# Altium PCB ANALOG_MezzanineV1_01.PcbDoc (part 1 of 3) (continued)
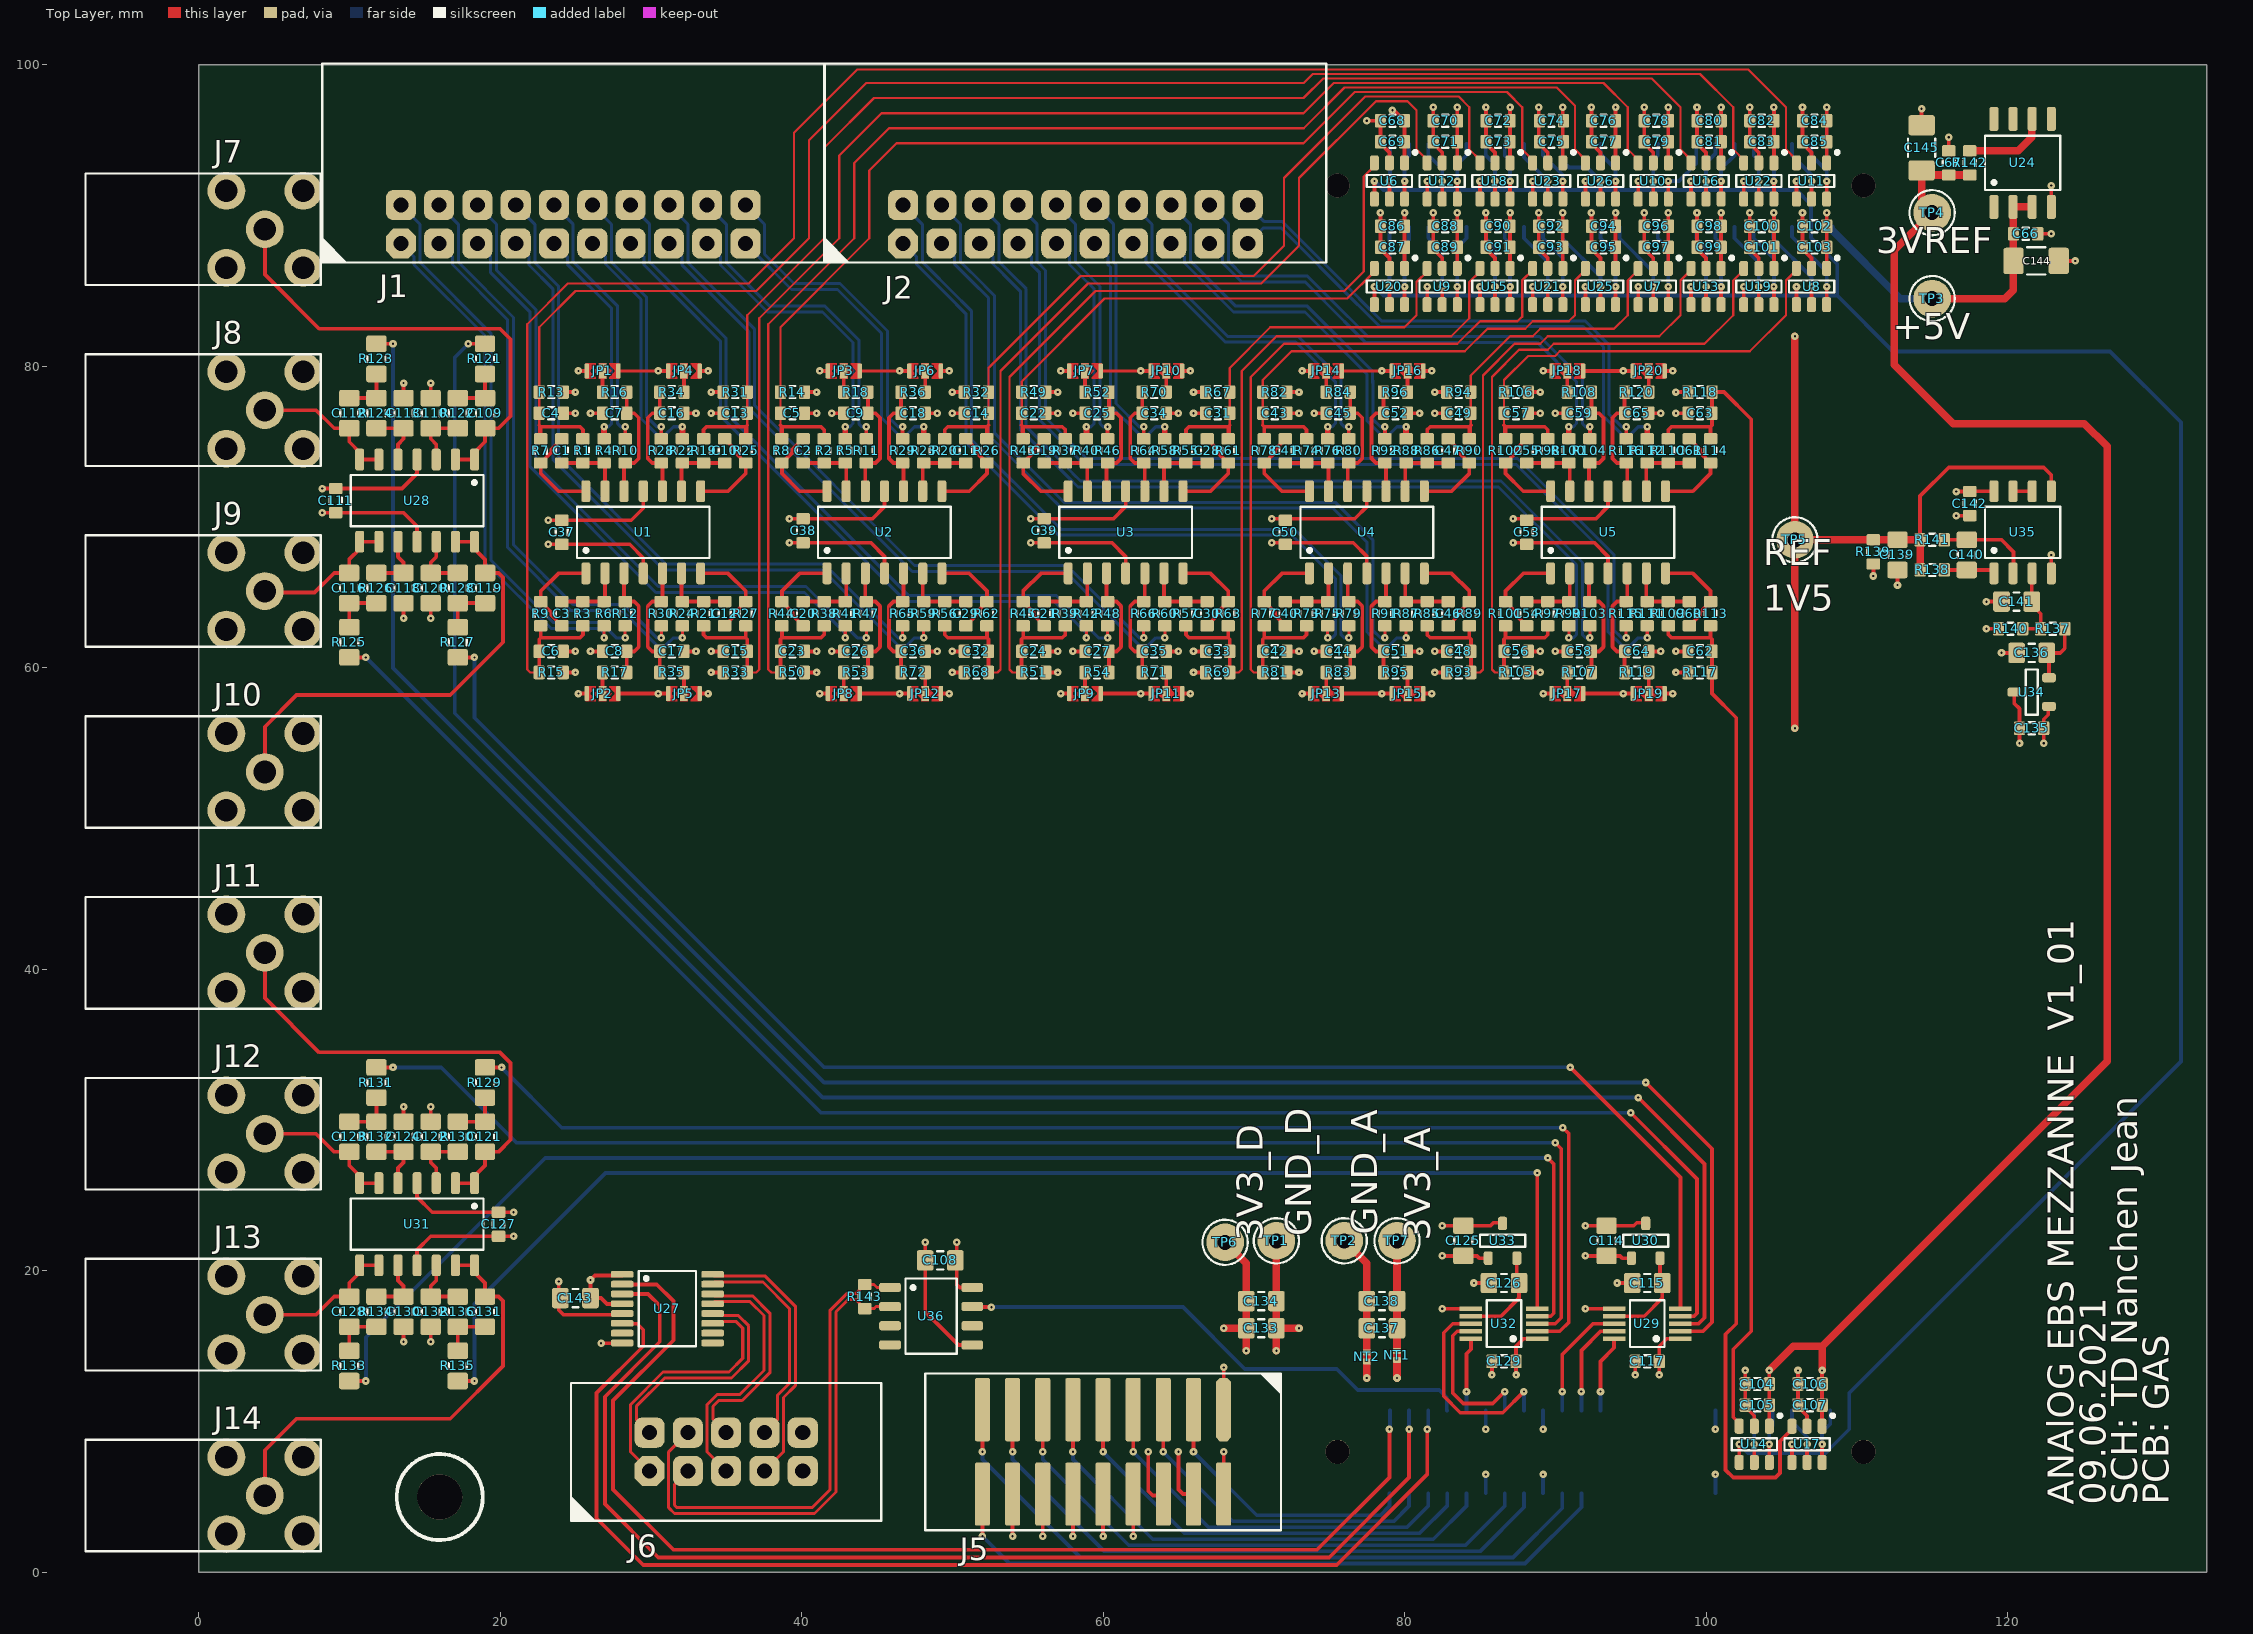
[diagram p0: Top Layer view]
## Classes and differential pairs
component class AD_0_V1_01: C1 C2 C3 C4 C5 C6 C7 C8 C9 C10 C11 C12 C13 C14 C15 C16 C17 C18 C19 C20 C21 C22 C23 C24 C25 C26 C27 C28 C29 C30 C31 C32 C33 C34 C35 C36 C37 C38 C39 JP1 JP2 JP3 JP4 JP5 JP6 JP7 JP8 JP9 JP10 JP11 JP12 R1 R2 R3 R4 R5 R6 R7 R8 R9 R10 R11 R12 R13 R14 R15 R16 R17 R18 R19 R20 R21 R22 R23 R24 R25 R26 R27 R28 R29 R30 R31 R32 R33 R34 R35 R36 R37 R38 R39 R40 R41 R42 R43 R44 R45 R46 R47 R48 R49 R50 R51 R52 R53 R54 R55 R56 R57 R58 R59 R60 R61 R62 R63 R64 R65 R66 R67 R68 R69 R70 R71 R72 U1 U2 U3
component class AD_1_V1_01: C40 C41 C42 C43 C44 C45 C46 C47 C48 C49 C50 C51 C52 C53 C54 C55 C56 C57 C58 C59 C60 C61 C62 C63 C64 C65 JP13 JP14 JP15 JP16 JP17 JP18 JP19 JP20 R73 R74 R75 R76 R77 R78 R79 R80 R81 R82 R83 R84 R85 R86 R87 R88 R89 R90 R91 R92 R93 R94 R95 R96 R97 R98 R99 R100 R101 R102 R103 R104 R105 R106 R107 R108 R109 R110 R111 R112 R113 R114 R115 R116 R117 R118 R119 R120 U4 U5
component class AD_3_V1_01: C66 C67 C68 C69 C70 C71 C72 C73 C74 C75 C76 C77 C78 C79 C80 C81 C82 C83 C84 C85 C86 C87 C88 C89 C90 C91 C92 C93 C94 C95 C96 C97 C98 C99 C100 C101 C102 C103 C104 C105 C106 C107 C144 C145 R142 TP3 TP4 U6 U7 U8 U9 U10 U11 U12 U13 U14 U15 U16 U17 U18 U19 U20 U21 U22 U23 U24 U25 U26
component class Connector_0_V1_01: C108 C143 J1 J2 J3 J4 J5 J6 R143 U27 U36
component class DAC_0_V1_01: C109 C110 C111 C112 C113 C114 C115 C116 C117 C118 C119 C120 C121 C122 C123 C124 C125 C126 C127 C128 C129 C130 C131 C132 J7 J8 J9 J10 J11 J12 J13 J14 R121 R122 R123 R124 R125 R126 R127 R128 R129 R130 R131 R132 R133 R134 R135 R136 U28 U29 U30 U31 U32 U33
component class Supply_0_V1_01: C133 C134 C135 C136 C137 C138 C139 C140 C141 C142 NT1 NT2 R137 R138 R139 R140 R141 TP1 TP2 TP5 TP6 TP7 U34 U35

## Components (designator, comment, footprint, x,y, rotation, side; value= is the part's Value field where it differs from the comment)
C1 "47p" "CAPACITOR 1608 REFLOW" 24.1,74.4 r270 top
C2 "47p" "CAPACITOR 1608 REFLOW" 40.1,74.4 r270 top
C3 "47p" "CAPACITOR 1608 REFLOW" 24.1,63.6 r90 top
C4 "2n2" "CAPACITOR 1608 REFLOW" 23.4,76.9 r180 top
C5 "2n2" "CAPACITOR 1608 REFLOW" 39.4,76.9 r180 top
C6 "2n2" "CAPACITOR 1608 REFLOW" 23.4,61.1 r180 top
C7 "47p" "CAPACITOR 1608 REFLOW" 27.6,76.9 r0 top
C8 "47p" "CAPACITOR 1608 REFLOW" 27.6,61.1 r0 top
C9 "47p" "CAPACITOR 1608 REFLOW" 43.6,76.9 r0 top
C10 "47p" "CAPACITOR 1608 REFLOW" 34.9,74.4 r270 top
C11 "47p" "CAPACITOR 1608 REFLOW" 50.9,74.4 r270 top
C12 "47p" "CAPACITOR 1608 REFLOW" 34.9,63.6 r90 top
C13 "2n2" "CAPACITOR 1608 REFLOW" 35.6,76.9 r0 top
C14 "2n2" "CAPACITOR 1608 REFLOW" 51.6,76.9 r0 top
C15 "2n2" "CAPACITOR 1608 REFLOW" 35.6,61.1 r0 top
C16 "47p" "CAPACITOR 1608 REFLOW" 31.4,76.9 r180 top
C17 "47p" "CAPACITOR 1608 REFLOW" 31.4,61.1 r180 top
C18 "47p" "CAPACITOR 1608 REFLOW" 47.4,76.9 r180 top
C19 "47p" "CAPACITOR 1608 REFLOW" 56.1,74.4 r270 top
C20 "47p" "CAPACITOR 1608 REFLOW" 40.1,63.6 r90 top
C21 "47p" "CAPACITOR 1608 REFLOW" 56.1,63.6 r90 top
C22 "2n2" "CAPACITOR 1608 REFLOW" 55.4,76.9 r180 top
C23 "2n2" "CAPACITOR 1608 REFLOW" 39.4,61.1 r180 top
C24 "2n2" "CAPACITOR 1608 REFLOW" 55.4,61.1 r180 top
C25 "47p" "CAPACITOR 1608 REFLOW" 59.6,76.9 r0 top
C26 "47p" "CAPACITOR 1608 REFLOW" 43.6,61.1 r0 top
C27 "47p" "CAPACITOR 1608 REFLOW" 59.6,61.1 r0 top
C28 "47p" "CAPACITOR 1608 REFLOW" 66.9,74.4 r270 top
C29 "47p" "CAPACITOR 1608 REFLOW" 50.9,63.6 r90 top
C30 "47p" "CAPACITOR 1608 REFLOW" 66.9,63.6 r90 top
C31 "2n2" "CAPACITOR 1608 REFLOW" 67.6,76.9 r0 top
C32 "2n2" "CAPACITOR 1608 REFLOW" 51.6,61.1 r0 top
C33 "2n2" "CAPACITOR 1608 REFLOW" 67.6,61.1 r0 top
C34 "47p" "CAPACITOR 1608 REFLOW" 63.4,76.9 r180 top
C35 "47p" "CAPACITOR 1608 REFLOW" 63.4,61.1 r180 top
C36 "47p" "CAPACITOR 1608 REFLOW" 47.4,61.1 r180 top
C37 "100n" "CAPACITOR 1608 REFLOW" 24.1,69 r270 top
C38 "100n" "CAPACITOR 1608 REFLOW" 40.1,69.1 r270 top
C39 "100n" "CAPACITOR 1608 REFLOW" 56.1,69.1 r270 top
C40 "47p" "CAPACITOR 1608 REFLOW" 72.1,63.6 r90 top
C41 "47p" "CAPACITOR 1608 REFLOW" 72.1,74.4 r270 top
C42 "2n2" "CAPACITOR 1608 REFLOW" 71.4,61.1 r180 top
C43 "2n2" "CAPACITOR 1608 REFLOW" 71.4,76.9 r180 top
C44 "47p" "CAPACITOR 1608 REFLOW" 75.6,61.1 r0 top
C45 "47p" "CAPACITOR 1608 REFLOW" 75.6,76.9 r0 top
C46 "47p" "CAPACITOR 1608 REFLOW" 82.9,63.6 r90 top
C47 "47p" "CAPACITOR 1608 REFLOW" 82.9,74.4 r270 top
C48 "2n2" "CAPACITOR 1608 REFLOW" 83.6,61.1 r0 top
C49 "2n2" "CAPACITOR 1608 REFLOW" 83.6,76.9 r0 top
C50 "100n" "CAPACITOR 1608 REFLOW" 72.1,69 r270 top
C51 "47p" "CAPACITOR 1608 REFLOW" 79.4,61.1 r180 top
C52 "47p" "CAPACITOR 1608 REFLOW" 79.4,76.9 r180 top
C53 "100n" "CAPACITOR 1608 REFLOW" 88.1,69 r270 top
C54 "47p" "CAPACITOR 1608 REFLOW" 88.1,63.6 r90 top
C55 "47p" "CAPACITOR 1608 REFLOW" 88.1,74.4 r270 top
C56 "2n2" "CAPACITOR 1608 REFLOW" 87.4,61.1 r180 top
C57 "2n2" "CAPACITOR 1608 REFLOW" 87.4,76.9 r180 top
C58 "47p" "CAPACITOR 1608 REFLOW" 91.6,61.1 r0 top
C59 "47p" "CAPACITOR 1608 REFLOW" 91.6,76.9 r0 top
C60 "47p" "CAPACITOR 1608 REFLOW" 98.9,63.6 r90 top
C61 "47p" "CAPACITOR 1608 REFLOW" 98.9,74.4 r270 top
C62 "2n2" "CAPACITOR 1608 REFLOW" 99.6,61.1 r0 top
C63 "2n2" "CAPACITOR 1608 REFLOW" 99.6,76.9 r0 top
C64 "47p" "CAPACITOR 1608 REFLOW" 95.4,61.1 r180 top
C65 "47p" "CAPACITOR 1608 REFLOW" 95.4,76.9 r180 top
C66 "1uF" "CAPACITOR 1608 REFLOW" 121.2,88.8 r180 top
C67 "2uF" "CAPACITOR 1608 REFLOW" 116.1,93.5 r270 top
C68 "1uF" "CAPACITOR 1608 REFLOW" 79.2,96.3 r0 top
C69 "10nF" "CAPACITOR 1608 REFLOW" 79.2,94.9 r0 top
C70 "1uF" "CAPACITOR 1608 REFLOW" 82.7,96.3 r0 top
C71 "10nF" "CAPACITOR 1608 REFLOW" 82.7,94.9 r0 top
C72 "1uF" "CAPACITOR 1608 REFLOW" 86.2,96.3 r0 top
C73 "10nF" "CAPACITOR 1608 REFLOW" 86.2,94.9 r0 top
C74 "1uF" "CAPACITOR 1608 REFLOW" 89.75,96.3 r0 top
C75 "10nF" "CAPACITOR 1608 REFLOW" 89.75,94.9 r0 top
C76 "1uF" "CAPACITOR 1608 REFLOW" 93.2,96.3 r0 top
C77 "10nF" "CAPACITOR 1608 REFLOW" 93.2,94.9 r0 top
C78 "1uF" "CAPACITOR 1608 REFLOW" 96.7,96.3 r0 top
C79 "10nF" "CAPACITOR 1608 REFLOW" 96.7,94.9 r0 top
C80 "1uF" "CAPACITOR 1608 REFLOW" 100.2,96.3 r0 top
C81 "10nF" "CAPACITOR 1608 REFLOW" 100.2,94.9 r0 top
C82 "1uF" "CAPACITOR 1608 REFLOW" 103.7,96.3 r0 top
C83 "10nF" "CAPACITOR 1608 REFLOW" 103.7,94.9 r0 top
C84 "1uF" "CAPACITOR 1608 REFLOW" 107.2,96.3 r0 top
C85 "10nF" "CAPACITOR 1608 REFLOW" 107.2,94.9 r0 top
C86 "1uF" "CAPACITOR 1608 REFLOW" 79.2,89.3 r0 top
C87 "10nF" "CAPACITOR 1608 REFLOW" 79.2,87.9 r0 top
C88 "1uF" "CAPACITOR 1608 REFLOW" 82.7,89.3 r0 top
C89 "10nF" "CAPACITOR 1608 REFLOW" 82.7,87.9 r0 top
C90 "1uF" "CAPACITOR 1608 REFLOW" 86.2,89.3 r0 top
C91 "10nF" "CAPACITOR 1608 REFLOW" 86.2,87.9 r0 top
C92 "1uF" "CAPACITOR 1608 REFLOW" 89.7,89.3 r0 top
C93 "10nF" "CAPACITOR 1608 REFLOW" 89.7,87.9 r0 top
C94 "1uF" "CAPACITOR 1608 REFLOW" 93.2,89.3 r0 top
C95 "10nF" "CAPACITOR 1608 REFLOW" 93.2,87.9 r0 top
C96 "1uF" "CAPACITOR 1608 REFLOW" 96.7,89.3 r0 top
C97 "10nF" "CAPACITOR 1608 REFLOW" 96.7,87.9 r0 top
C98 "1uF" "CAPACITOR 1608 REFLOW" 100.2,89.3 r0 top
C99 "10nF" "CAPACITOR 1608 REFLOW" 100.2,87.9 r0 top
C100 "1uF" "CAPACITOR 1608 REFLOW" 103.7,89.3 r0 top
C101 "10nF" "CAPACITOR 1608 REFLOW" 103.7,87.9 r0 top
C102 "1uF" "CAPACITOR 1608 REFLOW" 107.2,89.3 r0 top
C103 "10nF" "CAPACITOR 1608 REFLOW" 107.2,87.9 r0 top
C104 "1uF" "CAPACITOR 1608 REFLOW" 103.4,12.5 r0 top
C105 "10nF" "CAPACITOR 1608 REFLOW" 103.4,11.1 r0 top
C106 "1uF" "CAPACITOR 1608 REFLOW" 106.9,12.5 r0 top
C107 "10nF" "CAPACITOR 1608 REFLOW" 106.9,11.1 r0 top
C108 "100n" "CAPACITOR 2012 REFLOW" 49.2,20.7 r0 top
C109 "100p" "CAPACITOR 2012 REFLOW" 19.01,76.9 r270 top
C110 "150p" "CAPACITOR 2012 REFLOW" 15.4,76.9 r270 top
C111 "100n" "CAPACITOR 1608 REFLOW" 9.1,71.1 r90 top
C112 "100p" "CAPACITOR 2012 REFLOW" 10,76.9 r270 top
C113 "150p" "CAPACITOR 2012 REFLOW" 13.6,76.9 r270 top
C114 "100n" "CAPACITOR 2012 REFLOW" 93.4,22 r270 top
C115 "1u" "CAPACITOR 2012 REFLOW" 96.1,19.2 r0 top
C116 "100p" "CAPACITOR 2012 REFLOW" 9.99,65.3 r90 top
C117 "100n" "CAPACITOR 1608 REFLOW" 96.1,14 r0 top
C118 "150p" "CAPACITOR 2012 REFLOW" 13.6,65.3 r90 top
C119 "100p" "CAPACITOR 2012 REFLOW" 19.01,65.3 r90 top
C120 "150p" "CAPACITOR 2012 REFLOW" 15.4,65.3 r90 top
C121 "100p" "CAPACITOR 2012 REFLOW" 19,28.9 r270 top
C122 "150p" "CAPACITOR 2012 REFLOW" 15.4,28.9 r270 top
C123 "100p" "CAPACITOR 2012 REFLOW" 10,28.9 r270 top
C124 "150p" "CAPACITOR 2012 REFLOW" 13.6,28.9 r270 top
C125 "100n" "CAPACITOR 2012 REFLOW" 83.9,22 r270 top
C126 "1u" "CAPACITOR 2012 REFLOW" 86.6,19.2 r0 top
C127 "100n" "CAPACITOR 1608 REFLOW" 19.9,23.1 r90 top
C128 "100p" "CAPACITOR 2012 REFLOW" 10,17.3 r90 top
C129 "100n" "CAPACITOR 1608 REFLOW" 86.6,14 r0 top
C130 "150p" "CAPACITOR 2012 REFLOW" 13.6,17.3 r90 top
C131 "100p" "CAPACITOR 2012 REFLOW" 19,17.3 r90 top
C132 "150p" "CAPACITOR 2012 REFLOW" 15.4,17.3 r90 top
C133 "10uF" "CAPACITOR 2012 REFLOW" 70.5,16.2 r0 top
C134 "100nF" "CAPACITOR 2012 REFLOW" 70.5,18 r0 top
C135 "100n" "CAPACITOR 1608 REFLOW" 121.6,56 r0 top
C136 "3u3" "CAPACITOR 2012 REFLOW" 121.6,61 r0 top
C137 "10uF" "CAPACITOR 2012 REFLOW" 78.5,16.2 r180 top
C138 "100nF" "CAPACITOR 2012 REFLOW" 78.5,18 r180 top
C139 "10u" "CAPACITOR 2012 REFLOW" 112.7,67.5 r90 top
C140 "3u3" "CAPACITOR 2012 REFLOW" 117.3,67.5 r270 top
C141 "1u" "CAPACITOR 2012 REFLOW" 120.6,64.4 r0 top
C142 "100n" "CAPACITOR 1608 REFLOW" 117.5,70.9 r90 top
C143 "100n" "CAPACITOR 2012 REFLOW" 25,18.2 r0 top
C144 "100uF X5R" "CAPACITOR 3216 REFLOW" 121.9,87 r180 top
C145 "100uF X5R" "CAPACITOR 3216 REFLOW" 114.3,94.5 r270 top
J1 "61202021621" "FlatCable2x10 2.54MM RIGHT ANGLE TH" 24.85,89.43 r180 top locked
J2 "61202021621" "FlatCable2x10 2.54MM RIGHT ANGLE TH" 58.17,89.43 r180 top locked
J3 "ERNI SMC-Q50-SMD-BA" "ERNI SMC-Q50-SMD-BA" 93,8 r180 bottom locked
J4 "ERNI SMC-Q50-SMD-BA" "ERNI SMC-Q50-SMD-BA" 93,92 r180 bottom locked
J5 "98464-G61-18ULF" "FlatCable2x9 2MM Straight SMD FCI 98414-G52-18ALF" 60,8 r180 top locked
J6 "61201021721" "FlatCable2x5 2.54MM Straight TH" 35,8 r0 top locked
J7 "CONSMA002-G" "SMA TH Right Angle Linx CONSMA002" 4.4,89.1 r0 top locked
J8 "CONSMA002-G" "SMA TH Right Angle Linx CONSMA002" 4.4,77.1 r0 top locked
J9 "CONSMA002-G" "SMA TH Right Angle Linx CONSMA002" 4.4,65.1 r0 top locked
J10 "CONSMA002-G" "SMA TH Right Angle Linx CONSMA002" 4.4,53.1 r0 top locked
J11 "CONSMA002-G" "SMA TH Right Angle Linx CONSMA002" 4.4,41.1 r0 top locked
J12 "CONSMA002-G" "SMA TH Right Angle Linx CONSMA002" 4.4,29.1 r0 top locked
J13 "CONSMA002-G" "SMA TH Right Angle Linx CONSMA002" 4.4,17.1 r0 top locked
J14 "CONSMA002-G" "SMA TH Right Angle Linx CONSMA002" 4.4,5.1 r0 top locked
JP1 "{Value}" "JUMPER3 SMD 1608" 26.8,79.7 r180 top
JP2 "{Value}" "JUMPER3 SMD 1608" 26.8,58.3 r180 top
JP3 "{Value}" "JUMPER3 SMD 1608" 42.8,79.7 r180 top
JP4 "{Value}" "JUMPER3 SMD 1608" 32.2,79.7 r0 top
JP5 "{Value}" "JUMPER3 SMD 1608" 32.2,58.3 r0 top
JP6 "{Value}" "JUMPER3 SMD 1608" 48.2,79.7 r0 top
JP7 "{Value}" "JUMPER3 SMD 1608" 58.8,79.7 r180 top
JP8 "{Value}" "JUMPER3 SMD 1608" 42.8,58.3 r180 top
JP9 "{Value}" "JUMPER3 SMD 1608" 58.8,58.3 r180 top
JP10 "{Value}" "JUMPER3 SMD 1608" 64.2,79.7 r0 top
JP11 "{Value}" "JUMPER3 SMD 1608" 64.2,58.3 r0 top
JP12 "{Value}" "JUMPER3 SMD 1608" 48.2,58.3 r0 top
JP13 "{Value}" "JUMPER3 SMD 1608" 74.8,58.3 r180 top
JP14 "{Value}" "JUMPER3 SMD 1608" 74.8,79.7 r180 top
JP15 "{Value}" "JUMPER3 SMD 1608" 80.2,58.3 r0 top
JP16 "{Value}" "JUMPER3 SMD 1608" 80.2,79.7 r0 top
JP17 "{Value}" "JUMPER3 SMD 1608" 90.8,58.3 r180 top
JP18 "{Value}" "JUMPER3 SMD 1608" 90.8,79.7 r180 top
JP19 "{Value}" "JUMPER3 SMD 1608" 96.2,58.3 r0 top
JP20 "{Value}" "JUMPER3 SMD 1608" 96.2,79.7 r0 top
NT1 "Net Tie" "NET TIE 1005" 79.5,14.4 r90 top net-tie
NT2 "Net Tie" "NET TIE 1005" 77.5,14.3 r90 top net-tie
R1 "18k" "RESISTOR 1608 REFLOW" 25.5,74.4 r90 top
R2 "18k" "RESISTOR 1608 REFLOW" 41.5,74.4 r90 top
R3 "18k" "RESISTOR 1608 REFLOW" 25.5,63.6 r270 top
R4 "8k2" "RESISTOR 1608 REFLOW" 26.9,74.4 r270 top
R5 "8k2" "RESISTOR 1608 REFLOW" 42.9,74.4 r270 top
R6 "8k2" "RESISTOR 1608 REFLOW" 26.9,63.6 r90 top
R7 "82R" "RESISTOR 1608 REFLOW" 22.7,74.4 r90 top
R8 "82R" "RESISTOR 1608 REFLOW" 38.7,74.4 r90 top
R9 "82R" "RESISTOR 1608 REFLOW" 22.7,63.6 r270 top
R10 "8k2" "RESISTOR 1608 REFLOW" 28.3,74.4 r270 top
R11 "8k2" "RESISTOR 1608 REFLOW" 44.3,74.4 r270 top
R12 "8k2" "RESISTOR 1608 REFLOW" 28.3,63.6 r90 top
R13 "10k" "RESISTOR 1608 REFLOW" 23.4,78.3 r0 top
R14 "10k" "RESISTOR 1608 REFLOW" 39.4,78.3 r0 top
R15 "10k" "RESISTOR 1608 REFLOW" 23.4,59.7 r0 top
R16 "18k" "RESISTOR 1608 REFLOW" 27.6,78.3 r180 top
R17 "18k" "RESISTOR 1608 REFLOW" 27.6,59.7 r180 top
R18 "18k" "RESISTOR 1608 REFLOW" 43.6,78.3 r180 top
R19 "18k" "RESISTOR 1608 REFLOW" 33.5,74.4 r90 top
R20 "18k" "RESISTOR 1608 REFLOW" 49.5,74.4 r90 top
R21 "18k" "RESISTOR 1608 REFLOW" 33.5,63.6 r270 top
R22 "8k2" "RESISTOR 1608 REFLOW" 32.1,74.4 r270 top
R23 "8k2" "RESISTOR 1608 REFLOW" 48.1,74.4 r270 top
R24 "8k2" "RESISTOR 1608 REFLOW" 32.1,63.6 r90 top
R25 "82R" "RESISTOR 1608 REFLOW" 36.3,74.4 r90 top
R26 "82R" "RESISTOR 1608 REFLOW" 52.3,74.4 r90 top
R27 "82R" "RESISTOR 1608 REFLOW" 36.3,63.6 r270 top
R28 "8k2" "RESISTOR 1608 REFLOW" 30.7,74.4 r270 top
R29 "8k2" "RESISTOR 1608 REFLOW" 46.7,74.4 r270 top
R30 "8k2" "RESISTOR 1608 REFLOW" 30.7,63.6 r90 top
R31 "10k" "RESISTOR 1608 REFLOW" 35.6,78.3 r180 top
R32 "10k" "RESISTOR 1608 REFLOW" 51.6,78.3 r180 top
R33 "10k" "RESISTOR 1608 REFLOW" 35.6,59.7 r180 top
R34 "18k" "RESISTOR 1608 REFLOW" 31.4,78.3 r0 top
R35 "18k" "RESISTOR 1608 REFLOW" 31.4,59.7 r0 top
R36 "18k" "RESISTOR 1608 REFLOW" 47.4,78.3 r0 top
R37 "18k" "RESISTOR 1608 REFLOW" 57.5,74.4 r90 top
R38 "18k" "RESISTOR 1608 REFLOW" 41.5,63.6 r270 top
R39 "18k" "RESISTOR 1608 REFLOW" 57.5,63.6 r270 top
R40 "8k2" "RESISTOR 1608 REFLOW" 58.9,74.4 r270 top
R41 "8k2" "RESISTOR 1608 REFLOW" 42.9,63.6 r90 top
R42 "8k2" "RESISTOR 1608 REFLOW" 58.9,63.6 r90 top
R43 "82R" "RESISTOR 1608 REFLOW" 54.7,74.4 r90 top
R44 "82R" "RESISTOR 1608 REFLOW" 38.7,63.6 r270 top
R45 "82R" "RESISTOR 1608 REFLOW" 54.7,63.6 r270 top
R46 "8k2" "RESISTOR 1608 REFLOW" 60.3,74.4 r270 top
R47 "8k2" "RESISTOR 1608 REFLOW" 44.3,63.6 r90 top
R48 "8k2" "RESISTOR 1608 REFLOW" 60.3,63.6 r90 top
R49 "10k" "RESISTOR 1608 REFLOW" 55.4,78.3 r0 top
R50 "10k" "RESISTOR 1608 REFLOW" 39.4,59.7 r0 top
R51 "10k" "RESISTOR 1608 REFLOW" 55.4,59.7 r0 top
R52 "18k" "RESISTOR 1608 REFLOW" 59.6,78.3 r180 top
R53 "18k" "RESISTOR 1608 REFLOW" 43.6,59.7 r180 top
R54 "18k" "RESISTOR 1608 REFLOW" 59.6,59.7 r180 top
R55 "18k" "RESISTOR 1608 REFLOW" 65.5,74.4 r90 top
R56 "18k" "RESISTOR 1608 REFLOW" 49.5,63.6 r270 top
R57 "18k" "RESISTOR 1608 REFLOW" 65.5,63.6 r270 top
R58 "8k2" "RESISTOR 1608 REFLOW" 64.1,74.4 r270 top
R59 "8k2" "RESISTOR 1608 REFLOW" 48.1,63.6 r90 top
R60 "8k2" "RESISTOR 1608 REFLOW" 64.1,63.6 r90 top
R61 "82R" "RESISTOR 1608 REFLOW" 68.3,74.4 r90 top
R62 "82R" "RESISTOR 1608 REFLOW" 52.3,63.6 r270 top
R63 "82R" "RESISTOR 1608 REFLOW" 68.3,63.6 r270 top
R64 "8k2" "RESISTOR 1608 REFLOW" 62.7,74.4 r270 top
R65 "8k2" "RESISTOR 1608 REFLOW" 46.7,63.6 r90 top
R66 "8k2" "RESISTOR 1608 REFLOW" 62.7,63.6 r90 top
R67 "10k" "RESISTOR 1608 REFLOW" 67.6,78.3 r180 top
R68 "10k" "RESISTOR 1608 REFLOW" 51.6,59.7 r180 top
R69 "10k" "RESISTOR 1608 REFLOW" 67.6,59.7 r180 top
R70 "18k" "RESISTOR 1608 REFLOW" 63.4,78.3 r0 top
R71 "18k" "RESISTOR 1608 REFLOW" 63.4,59.7 r0 top
R72 "18k" "RESISTOR 1608 REFLOW" 47.4,59.7 r0 top
R73 "18k" "RESISTOR 1608 REFLOW" 73.5,63.6 r270 top
R74 "18k" "RESISTOR 1608 REFLOW" 73.5,74.4 r90 top
R75 "8k2" "RESISTOR 1608 REFLOW" 74.9,63.6 r90 top
R76 "8k2" "RESISTOR 1608 REFLOW" 74.9,74.4 r270 top
R77 "82R" "RESISTOR 1608 REFLOW" 70.7,63.6 r270 top
R78 "82R" "RESISTOR 1608 REFLOW" 70.7,74.4 r90 top
R79 "8k2" "RESISTOR 1608 REFLOW" 76.3,63.6 r90 top
R80 "8k2" "RESISTOR 1608 REFLOW" 76.3,74.4 r270 top
R81 "10k" "RESISTOR 1608 REFLOW" 71.4,59.7 r0 top
R82 "10k" "RESISTOR 1608 REFLOW" 71.4,78.3 r0 top
R83 "18k" "RESISTOR 1608 REFLOW" 75.6,59.7 r180 top
R84 "18k" "RESISTOR 1608 REFLOW" 75.6,78.3 r180 top
R85 "18k" "RESISTOR 1608 REFLOW" 81.5,63.6 r270 top
R86 "18k" "RESISTOR 1608 REFLOW" 81.5,74.4 r90 top
R87 "8k2" "RESISTOR 1608 REFLOW" 80.1,63.6 r90 top
R88 "8k2" "RESISTOR 1608 REFLOW" 80.1,74.4 r270 top
R89 "82R" "RESISTOR 1608 REFLOW" 84.3,63.6 r270 top
R90 "82R" "RESISTOR 1608 REFLOW" 84.3,74.4 r90 top
R91 "8k2" "RESISTOR 1608 REFLOW" 78.7,63.6 r90 top
R92 "8k2" "RESISTOR 1608 REFLOW" 78.7,74.4 r270 top
R93 "10k" "RESISTOR 1608 REFLOW" 83.6,59.7 r180 top
R94 "10k" "RESISTOR 1608 REFLOW" 83.6,78.3 r180 top
R95 "18k" "RESISTOR 1608 REFLOW" 79.4,59.7 r0 top
R96 "18k" "RESISTOR 1608 REFLOW" 79.4,78.3 r0 top
R97 "18k" "RESISTOR 1608 REFLOW" 89.5,63.6 r270 top
R98 "18k" "RESISTOR 1608 REFLOW" 89.5,74.4 r90 top
R99 "8k2" "RESISTOR 1608 REFLOW" 90.9,63.6 r90 top
R100 "8k2" "RESISTOR 1608 REFLOW" 90.9,74.4 r270 top
R101 "82R" "RESISTOR 1608 REFLOW" 86.7,63.6 r270 top
R102 "82R" "RESISTOR 1608 REFLOW" 86.7,74.4 r90 top
R103 "8k2" "RESISTOR 1608 REFLOW" 92.3,63.6 r90 top
R104 "8k2" "RESISTOR 1608 REFLOW" 92.3,74.4 r270 top
R105 "10k" "RESISTOR 1608 REFLOW" 87.4,59.7 r0 top
R106 "10k" "RESISTOR 1608 REFLOW" 87.4,78.3 r0 top
R107 "18k" "RESISTOR 1608 REFLOW" 91.6,59.7 r180 top
R108 "18k" "RESISTOR 1608 REFLOW" 91.6,78.3 r180 top
R109 "18k" "RESISTOR 1608 REFLOW" 97.5,63.6 r270 top
R110 "18k" "RESISTOR 1608 REFLOW" 97.5,74.4 r90 top
R111 "8k2" "RESISTOR 1608 REFLOW" 96.1,63.6 r90 top
R112 "8k2" "RESISTOR 1608 REFLOW" 96.1,74.4 r270 top
R113 "82R" "RESISTOR 1608 REFLOW" 100.3,63.6 r270 top
R114 "82R" "RESISTOR 1608 REFLOW" 100.3,74.4 r90 top
R115 "8k2" "RESISTOR 1608 REFLOW" 94.7,63.6 r90 top
R116 "8k2" "RESISTOR 1608 REFLOW" 94.7,74.4 r270 top
R117 "10k" "RESISTOR 1608 REFLOW" 99.6,59.7 r180 top
R118 "10k" "RESISTOR 1608 REFLOW" 99.6,78.3 r180 top
R119 "18k" "RESISTOR 1608 REFLOW" 95.4,59.7 r0 top
R120 "18k" "RESISTOR 1608 REFLOW" 95.4,78.3 r0 top
R121 "3k3" "RESISTOR 2012 REFLOW" 19,80.5 r270 top
R122 "3k6" "RESISTOR 2012 REFLOW" 17.2,76.9 r270 top
R123 "3k3" "RESISTOR 2012 REFLOW" 11.8,80.5 r270 top
R124 "3k6" "RESISTOR 2012 REFLOW" 11.8,76.9 r270 top
R125 "3k3" "RESISTOR 2012 REFLOW" 10,61.7 r90 top
R126 "3k6" "RESISTOR 2012 REFLOW" 11.8,65.3 r90 top
R127 "3k3" "RESISTOR 2012 REFLOW" 17.2,61.7 r90 top
R128 "3k6" "RESISTOR 2012 REFLOW" 17.2,65.3 r90 top
R129 "3k3" "RESISTOR 2012 REFLOW" 19,32.5 r270 top
R130 "3k6" "RESISTOR 2012 REFLOW" 17.2,28.9 r270 top
R131 "3k3" "RESISTOR 2012 REFLOW" 11.8,32.5 r270 top
R132 "3k6" "RESISTOR 2012 REFLOW" 11.8,28.9 r270 top
R133 "3k3" "RESISTOR 2012 REFLOW" 10,13.7 r90 top
R134 "3k6" "RESISTOR 2012 REFLOW" 11.8,17.3 r90 top
R135 "3k3" "RESISTOR 2012 REFLOW" 17.2,13.7 r90 top
R136 "3k6" "RESISTOR 2012 REFLOW" 17.2,17.3 r90 top
R137 "10k / 0.1%" "RESISTOR 1608 REFLOW" 123,62.6 r0 top
R138 "56R" "RESISTOR 1608 REFLOW" 115,66.5 r0 top
R139 "10k" "RESISTOR 1608 REFLOW" 111.1,67.7 r270 top
R140 "10k / 0.1%" "RESISTOR 1608 REFLOW" 120.2,62.6 r180 top
R141 "560R" "RESISTOR 1608 REFLOW" 115,68.5 r0 top
R142 "0" "RESISTOR 1608 REFLOW" 117.5,93.5 r270 top
R143 "100" "RESISTOR 1608 REFLOW" 44.2,18.3 r270 top
TP1 "*" "Test Point Keystone Miniature BLACK" 71.5,22 r180 top
TP2 "*" "Test Point Keystone Miniature BLACK" 76,22 r180 top
TP3 "*" "Test Point Keystone Miniature RED" 115,84.5 r90 top
TP4 "*" "Test Point Keystone Miniature RED" 115,90.2 r180 top
TP5 "*" "Test Point Keystone Miniature RED" 105.9,68.5 r180 top
TP6 "*" "Test Point Keystone Miniature BLACK" 68.1,21.9 r0 top
TP7 "*" "Test Point Keystone Miniature BLACK" 79.5,22 r180 top
U1 "*" "SO14 P1.27 C4.0X8.8 H1.75" 29.5,69 r90 top
U2 "*" "SO14 P1.27 C4.0X8.8 H1.75" 45.5,69 r90 top
U3 "*" "SO14 P1.27 C4.0X8.8 H1.75" 61.5,69 r90 top
U4 "*" "SO14 P1.27 C4.0X8.8 H1.75" 77.5,69 r90 top
U5 "*" "SO14 P1.27 C4.0X8.8 H1.75" 93.5,69 r90 top
U6 "ADS7886SBDCKT" "SOT23-6 P0.95 C1.5x3.0 H1.3" 79,92.3 r270 top
U7 "ADS7886SBDCKT" "SOT23-6 P0.95 C1.5x3.0 H1.3" 96.5,85.3 r270 top
U8 "ADS7886SBDCKT" "SOT23-6 P0.95 C1.5x3.0 H1.3" 107,85.3 r270 top
U9 "ADS7886SBDCKT" "SOT23-6 P0.95 C1.5x3.0 H1.3" 82.5,85.3 r270 top
U10 "ADS7886SBDCKT" "SOT23-6 P0.95 C1.5x3.0 H1.3" 96.5,92.3 r270 top
U11 "ADS7886SBDCKT" "SOT23-6 P0.95 C1.5x3.0 H1.3" 107,92.3 r270 top
U12 "ADS7886SBDCKT" "SOT23-6 P0.95 C1.5x3.0 H1.3" 82.5,92.3 r270 top
U13 "ADS7886SBDCKT" "SOT23-6 P0.95 C1.5x3.0 H1.3" 100,85.3 r270 top
U14 "ADS7886SBDCKT" "SOT23-6 P0.95 C1.5x3.0 H1.3" 103.2,8.5 r270 top
U15 "ADS7886SBDCKT" "SOT23-6 P0.95 C1.5x3.0 H1.3" 86,85.3 r270 top
U16 "ADS7886SBDCKT" "SOT23-6 P0.95 C1.5x3.0 H1.3" 100,92.3 r270 top
U17 "ADS7886SBDCKT" "SOT23-6 P0.95 C1.5x3.0 H1.3" 106.7,8.5 r270 top
U18 "ADS7886SBDCKT" "SOT23-6 P0.95 C1.5x3.0 H1.3" 86,92.3 r270 top
U19 "ADS7886SBDCKT" "SOT23-6 P0.95 C1.5x3.0 H1.3" 103.5,85.3 r270 top
U20 "ADS7886SBDCKT" "SOT23-6 P0.95 C1.5x3.0 H1.3" 79,85.3 r270 top
U21 "ADS7886SBDCKT" "SOT23-6 P0.95 C1.5x3.0 H1.3" 89.5,85.3 r270 top
U22 "ADS7886SBDCKT" "SOT23-6 P0.95 C1.5x3.0 H1.3" 103.5,92.3 r270 top
U23 "ADS7886SBDCKT" "SOT23-6 P0.95 C1.5x3.0 H1.3" 89.5,92.3 r270 top
U24 "LT1461ACS8" "SO8 P1.27 C4.0X5.0 H1.75"#1 121,93.5 r90 top
U25 "ADS7886SBDCKT" "SOT23-6 P0.95 C1.5x3.0 H1.3" 93,85.3 r270 top
U26 "ADS7886SBDCKT" "SOT23-6 P0.95 C1.5x3.0 H1.3" 93,92.3 r270 top
U27 "DS90LV047ATMTC/NOPB" "TSSOP16 P0.65 C5.0x4.5 H1.1" 31.1,17.5 r0 top
U28 "AD8648ARZ-REEL7" "SO14 P1.27 C4.0X8.8 H1.75" 14.5,71.1 r270 top
U29 "DAC124S085CIMM/NOPB" "VSSOP10 P0.5 C3.1X3.1 H1.1" 96.1,16.5 r180 top
U30 "REF3130AIDBZTG4" "SOT23 P0.95 C1.6x3.0 H1.3" 96,22 r90 top
U31 "AD8648ARZ-REEL7" "SO14 P1.27 C4.0X8.8 H1.75" 14.5,23.1 r270 top
U32 "DAC124S085CIMM/NOPB" "VSSOP10 P0.5 C3.1X3.1 H1.1" 86.6,16.5 r180 top
U33 "REF3130AIDBZTG4" "SOT23 P0.95 C1.6x3.0 H1.3" 86.5,22 r90 top
U34 "REF3130AIDBZTG4" "SOT23 P0.95 C1.6x3.0 H1.3" 121.6,58.4 r180 top
U35 "AD8646ARZ-REEL7" "SO8 P1.27 C4.0X5.0 H1.75"#2 121,69 r90 top
U36 "DS90LV018ATM" "SO8 P1.27 C4.0X5.0 H1.75"#2 48.6,17 r0 top

## Footprints (in the part's own frame and the unit in brackets; to place one, negate y for a bottom-side part, rotate by r counter-clockwise, add the part's x,y. Pads: shape width x height; smd on the part's side, far side on the other; paste and mask are expansions set on the pad)
"CAPACITOR 1608 REFLOW" [mm] "Capacitor SMD 1.6x0.8mm (0603-imperial)"
  rrect25% 0.75x0.9 smd: 1(-0.8,0) 2(0.8,0)
  silkscreen extent -0.2,-0.4 0.2,0.4, body extent -0.8,-0.4 0.8,0.4, height 0.8
"CAPACITOR 2012 REFLOW" [mm] "Capacitor SMD 2.0x1.2mm (0805-imperial)"
  rrect25% 1.1x1.35 smd: 1(-1,0) 2(1,0)
  silkscreen extent -0.2,-0.6 0.2,0.6, body extent -1,-0.6 1,0.6, height 1
"CAPACITOR 3216 REFLOW" [mm] "Capacitor SMD 3.2x1.6mm (1206-imperial)"
  rrect25% 1.35x1.75 smd: 1(-1.5,0) 2(1.5,0)
  silkscreen extent -0.6,-0.9 0.6,0.9, body extent -1.7,-0.9 1.7,0.9, height 1.6
"ERNI SMC-Q50-SMD-BA" [mm] "Male 1.27 pitch 2x20 pin connector, 6.75 height"
  rect 1.2x2.7 smd: 0(-17.75,-2.45) 0(-17.75,2.45) 0(17.75,-2.45) 0(17.75,2.45)
  round 1.6 hole 1.6 unplated: 0(-17.45,0) 0(17.45,0)
  rrect25% 0.8x1.1 smd: a1(15.24,-2.75) a1(15.24,-2.75) a2(13.97,-2.75) a3(12.7,-2.75) a4(11.43,-2.75) a5(10.16,-2.75) a6(8.89,-2.75) a7(7.62,-2.75) a8(6.35,-2.75) a9(5.08,-2.75) a10(3.81,-2.75) a11(2.54,-2.75) a12(1.27,-2.75) a13(0,-2.75) a14(-1.27,-2.75) a15(-2.54,-2.75) a16(-3.81,-2.75) a17(-5.08,-2.75) a18(-6.35,-2.75) a19(-7.62,-2.75) a20(-8.89,-2.75) a21(-10.16,-2.75) a22(-11.43,-2.75) a23(-12.7,-2.75) a24(-13.97,-2.75) a25(-15.24,-2.75) b1(15.24,2.75) b1(15.24,2.75) b2(13.97,2.75) b3(12.7,2.75) b4(11.43,2.75) b5(10.16,2.75) b6(8.89,2.75) b7(7.62,2.75) b8(6.35,2.75) b9(5.08,2.75) b10(3.81,2.75) b11(2.54,2.75) b12(1.27,2.75) b13(0,2.75) b14(-1.27,2.75) b15(-2.54,2.75) b16(-3.81,2.75) b17(-5.08,2.75) b18(-6.35,2.75) b19(-7.62,2.75) b20(-8.89,2.75) b21(-10.16,2.75) b22(-11.43,2.75) b23(-12.7,2.75) b24(-13.97,2.75) b25(-15.24,2.75)
  silkscreen extent -19,-4.1 19,4.1, body extent -18.42,-3.5 18.41,3.5, height 6.8
"FlatCable2x5 2.54MM Straight TH" [mm] "FlatCable2x5 2.54MM Straight TH, DIN 41651, Generic"
  oct 2x2 hole 1: 1(-5.08,-1.27)
  rrect50% 2x2 hole 1: 2(-5.08,1.27) 3(-2.54,-1.27) 4(-2.54,1.27) 5(0,-1.27) 6(0,1.27) 7(2.54,-1.27) 8(2.54,1.27) 9(5.08,-1.27) 10(5.08,1.27)
  silkscreen extent -10.3,-4.59 10.29,4.57, body extent -10.16,-4.45 10.16,4.46, height 9.1
"FlatCable2x9 2MM Straight SMD FCI 98414-G52-18ALF" [mm] "FlatCable2x9 2MM Straight SMD FCI 98414-G52-18ALF"
  oct 1x4.2 smd: 1(-8,-2.8)
  rrect25% 1x4.2 smd: 2(-8,2.8) 3(-6,-2.8) 4(-6,2.8) 5(-4,-2.8) 6(-4,2.8) 7(-2,-2.8) 8(-2,2.8) 9(0,-2.8) 10(0,2.8) 11(2,-2.8) 12(2,2.8) 13(4,-2.8) 14(4,2.8) 15(6,-2.8) 16(6,2.8) 17(8,-2.8) 18(8,2.8)
  silkscreen extent -11.8,-5.2 11.8,5.2, body extent -10,-4.2 10,4.2, height 6.2
"FlatCable2x10 2.54MM RIGHT ANGLE TH" [mm] "FlatCable2x10 2.54MM Right Angle TH, DIN 41651, Generic"
  oct 2x2 hole 1: 1(11.43,1.27)
  rrect50% 2x2 hole 1: 2(11.43,-1.27) 3(8.89,1.27) 4(8.89,-1.27) 5(6.35,1.27) 6(6.35,-1.27) 7(3.81,1.27) 8(3.81,-1.27) 9(1.27,1.27) 10(1.27,-1.27) 11(-1.27,1.27) 12(-1.27,-1.27) 13(-3.81,1.27) 14(-3.81,-1.27) 15(-6.35,1.27) 16(-6.35,-1.27) 17(-8.89,1.27) 18(-8.89,-1.27) 19(-11.43,1.27) 20(-11.43,-1.27)
  silkscreen extent -16.64,-10.67 16.64,2.54, body extent -16.51,-10.54 16.51,1.57, height 9.2
"JUMPER3 SMD 1608" [mm] "JUMPER SMD 3LEADS 1608 (0603-Imperial)"
  rrect50% 0.3x1 smd paste-0.8 mask-0.5: 1(-1.05,0) 3(1.05,0)
  rect 0.5x1 smd paste-0.8 mask-0.5: 2(0,0)
  Top Layer region: -1.1,0.5 -1.1,-0.5 -0.45,-0.5 -0.45,-0.4 -0.8,-0.05 -0.8,0.05 -0.45,0.4 -0.45,0.5
  Top Layer region: -0.25,0.35 -0.625,0 -0.25,-0.35 -0.25,-0.5 0.25,-0.5 0.25,-0.35 0.6,0 0.25,0.35 0.25,0.5 0.1,0.5 -0.25,0.5
  Top Layer region: 1.1,-0.5 1.1,0.5 0.45,0.5 0.45,0.4 0.8,0.05 0.8,-0.05 0.45,-0.4 0.45,-0.5
"NET TIE 1005" [mm] "Net Tie, connect two different net without DRC error"
  rrect25% 0.4x0.5 smd paste-0.8 mask+0: 1(-0.3,0) 2(0.3,0)
  Top Layer region: -0.3,0.25 -0.3,-0.25 0.325,-0.25 0.325,0.25
"RESISTOR 1608 REFLOW" [mm] "Resistor SMD 1.6x0.8mm (0603-imperial)"
  rrect25% 0.75x0.9 smd: 1(-0.8,0) 2(0.8,0)
  silkscreen extent -0.2,-0.4 0.2,0.4, body extent -0.77,-0.42 0.78,0.43, height 0.45
"RESISTOR 2012 REFLOW" [mm] "Resistor SMD 2.0x1.2mm (0805-imperial)"
  rrect25% 1.1x1.35 smd: 1(-1,0) 2(1,0)
  silkscreen extent -0.2,-0.6 0.2,0.6, body extent -1,-0.62 1,0.63, height 0.45
"SMA TH Right Angle Linx CONSMA002" [mm] "Connector SMA TH Right Angle Linx CONSMA002"
  round 2.5 hole 1.5: 1(0,0) 2(-2.55,-2.55) 2(-2.55,2.55) 2(2.55,-2.55) 2(2.55,2.55)
  silkscreen extent -11.9,-3.7 3.7,3.7, body extent -11.71,-3.5 3.5,3.5, height 10
"SO8 P1.27 C4.0X5.0 H1.75"#1 [mm] "8-Pin Small Outline Integrated Circuit 1.27 mm Pitch, IPC Medium Density"
  rrect50% 1.6x0.6 smd: 1(-2.921,1.905) 2(-2.921,0.635) 3(-2.921,-0.635) 4(-2.921,-1.905) 5(2.921,-1.905) 6(2.921,-0.635) 7(2.921,0.635) 8(2.921,1.905)
  silkscreen extent -1.8,-2.5 1.8,2.5, body extent -2,-2.5 2,2.5, height 1.76
"SO8 P1.27 C4.0X5.0 H1.75"#2 [mm] "8-Pin Small Outline Integrated Circuit 1.27 mm Pitch, IPC Medium Density"
  rrect50% 1.45x0.6 smd: 1(-2.725,1.905) 2(-2.725,0.635) 3(-2.725,-0.635) 4(-2.725,-1.905) 5(2.725,-1.905) 6(2.725,-0.635) 7(2.725,0.635) 8(2.725,1.905)
  silkscreen extent -1.7,-2.5 1.7,2.5, body extent -2,-2.5 2,2.5, height 1.76
"SO14 P1.27 C4.0X8.8 H1.75" [mm] "SOIC, 14-Leads, Body 4.0X8.8mm, Pitch 1.27mm, IPC Medium Density"
  rrect50% 1.45x0.6 smd: 1(-2.725,3.81) 2(-2.725,2.54) 3(-2.725,1.27) 4(-2.725,0) 5(-2.725,-1.27) 6(-2.725,-2.54) 7(-2.725,-3.81) 8(2.725,-3.81) 9(2.725,-2.54) 10(2.725,-1.27) 11(2.725,0) 12(2.725,1.27) 13(2.725,2.54) 14(2.725,3.81)
  silkscreen extent -1.7,-4.4 1.7,4.4, body extent -2,-4.4 2,4.4, height 1.76
"SOT23 P0.95 C1.6x3.0 H1.3" [mm] "SOT23, 3-Leads, Body 1.6x3.0mm, Pitch 0.95mm, IPC Medium Density"
  rrect50% 0.9x0.6 smd: 1(-1.15,0.95) 2(-1.15,-0.95) 3(1.15,0)
  silkscreen extent -0.4,-1.5 0.4,1.5, body extent -0.8,-1.5 0.8,1.5, height 1.3
"SOT23-6 P0.95 C1.5x3.0 H1.3" [mm] "SOT23, 6-Leads, Body 1.6x3.0mm, Pitch 0.95mm, IPC Medium Density"
  rrect50% 1x0.6 smd: 1(-1.2,1) 2(-1.2,0) 3(-1.2,-1) 4(1.2,-1) 5(1.2,0) 6(1.2,1)
  silkscreen extent -2,-1.5 0.4,1.8, body extent -0.8,-1.5 0.8,1.5, height 1.31
"Test Point Keystone Miniature BLACK" [mm] "Test Point Keystone Miniature BLACK"
  round 2.5 hole 1: 1(0,0)
  silkscreen extent -1.5,-1.5 1.5,1.5, body extent -1.25,-1.25 1.25,1.25, height 5
"Test Point Keystone Miniature RED" [mm] "Test Point Keystone Miniature RED"
  round 2.5 hole 1: 1(0,0)
  silkscreen extent -1.5,-1.5 1.5,1.5, body extent -1.25,-1.25 1.25,1.25, height 5
"TSSOP16 P0.65 C5.0x4.5 H1.1" [mm] "TSSOP-16 NXP"
  rrect50% 1.5x0.45 smd: 1(-3,2.275) 2(-3,1.625) 3(-3,0.975) 4(-3,0.325) 5(-3,-0.325) 6(-3,-0.975) 7(-3,-1.625) 8(-3,-2.275) 9(3,-2.275) 10(3,-1.625) 11(3,-0.975) 12(3,-0.325) 13(3,0.325) 14(3,0.975) 15(3,1.625) 16(3,2.275)
  silkscreen extent -1.9,-2.5 1.9,2.5, body extent -2.25,-2.5 2.25,2.5, height 1.1
"VSSOP10 P0.5 C3.1X3.1 H1.1" [mm] "VSSOP, 10-Leads, Body 3.10x3.1mm, Pitch 0.5mm, Height 1.1"
  rrect25% 1.5x0.3 smd: 1(-2.2,1) 2(-2.2,0.5) 3(-2.2,0) 4(-2.2,-0.5) 5(-2.2,-1) 6(2.2,-1) 7(2.2,-0.5) 8(2.2,0) 9(2.2,0.5) 10(2.2,1)
  silkscreen extent -1.15,-1.55 1.15,1.55, body extent -1.55,-1.55 1.55,1.55, height 1.11

## Part data
C1 C2 C3 C4 C5 C6 C7 C8 C9 C10 C11 C12 C13 C14 C15 C16 C17 C18 C19 C20 C21 C22 C23 C24 C25 C26 C27 C28 C29 C30 C31 C32 C33 C34 C35 C36 C37 C38 C39 C40 C41 C42 C43 C44 C45 C46 C47 C48 C49 C50 C51 C52 C53 C54 C55 C56 C57 C58 C59 C60 C61 C62 C63 C64 C65 C111 C117 C127 C129 C135 C142: library part Capacitor, "Capacitor X7R 10% 50V 1608(0603)"
C66 C67 C68 C69 C70 C71 C72 C73 C74 C75 C76 C77 C78 C79 C80 C81 C82 C83 C84 C85 C86 C87 C88 C89 C90 C91 C92 C93 C94 C95 C96 C97 C98 C99 C100 C101 C102 C103 C104 C105 C106 C107 C144 C145: library part Capacitor, "Capacitor"
C108 C109 C110 C112 C113 C114 C116 C118 C119 C120 C121 C122 C123 C124 C125 C128 C130 C131 C132 C134 C138 C143: library part Capacitor, "Capacitor X7R 10% 50V 2012(0805)"
C115 C126 C133 C136 C137 C139 C140 C141: library part Capacitor, "Capacitor X7R 10% 10V 2012(0805)"
J1 J2: library part FlatCable2x10, "FlatCable2x10", Manufacturer="Wurth Elektronik", Mouser No.=710-61202021621
J3 J4: "Male 1.27 pitch 2x25 pin connector"
J5: library part FlatCable2x9, "FlatCable2x9", Manufacturer="Amphenol FCI", Mouser No.=649-98464-G61-18ULF
J6: library part FlatCable2x5, "FlatCable2x5", Manufacturer="Wurth Elektronik", Mouser No.=710-61201021721
J7 J8 J9 J10 J11 J12 J13 J14: library part "SMA TH RIGHT ANGLE LINX CONSMA002", "SMA TH RIGHT ANGLE LINX CONSMA002", Manufacturer="Linx Technologies", Mouser No.=712-CONSMA002-G
JP1 JP2 JP3 JP4 JP5 JP6 JP7 JP8 JP9 JP10 JP11 JP12 JP13 JP14 JP15 JP16 JP17 JP18 JP19 JP20: library part "JUMPER 3 POS", "JUMPER 3 POS"
NT1 NT2: "Connection for 2 different NETNAME"
R1 R2 R3 R4 R5 R6 R7 R8 R9 R10 R11 R12 R13 R14 R15 R16 R17 R18 R19 R20 R21 R22 R23 R24 R25 R26 R27 R28 R29 R30 R31 R32 R33 R34 R35 R36 R37 R38 R39 R40 R41 R42 R43 R44 R45 R46 R47 R48 R49 R50 R51 R52 R53 R54 R55 R56 R57 R58 R59 R60 R61 R62 R63 R64 R65 R66 R67 R68 R69 R70 R71 R72 R73 R74 R75 R76 R77 R78 R79 R80 R81 R82 R83 R84 R85 R86 R87 R88 R89 R90 R91 R92 R93 R94 R95 R96 R97 R98 R99 R100 R101 R102 R103 R104 R105 R106 R107 R108 R109 R110 R111 R112 R113 R114 R115 R116 R117 R118 R119 R120 R137 R138 R139 R140 R141 R142 R143: library part Resistor, "Resistor 1% 50V 100mW 1608(0603)"
R121 R122 R123 R124 R125 R126 R127 R128 R129 R130 R131 R132 R133 R134 R135 R136: library part Resistor, "Resistor 1% 50V 125mW 2012(0805)"
TP1 TP2 TP3 TP4 TP5 TP6 TP7: library part "Test Point", "Test Point"
U1 U2 U3 U4 U5: library part "OPA QUAD", "Generic quad OPA 14 pins"
U6 U7 U8 U9 U10 U11 U12 U13 U14 U15 U16 U17 U18 U19 U20 U21 U22 U23 U25 U26: "12-Bit, 1-MSPS, Micro-Power, Miniature SAR Analog-to-Digital Converters"
U24: "Micropower Precision Low Dropout Series Voltage Reference Family"
U27: library part DS90LV047A, "DS90LV047A 3-V LVDS Quad CMOS Differential Line Driver", Manufacturer="Texas Instruments", Mouser No.=926-DS90LV047ATMTCNO
U28 U31: library part "OPA QUAD", "Generic quad OPA 14 pins", Manufacturer="Analog Devices", Mouser No.=584-AD8648ARZ-R7
U29 U32: library part DAC124S085CIMM, "DAC124S085 12-Bit Micro Power Quad Digital-to-Analog Converter With Rail-to-Rail Output", Manufacturer="Texas Instruments", Mouser No.=926-DAC124S085CIMMNO
U30 U33 U34: library part "REFERENCE SOT23 IN,OUT,GND", "Generic Positive Voltage Reference"
U35: library part "OPA DUAL", "Generic dual OPA 8 pins", Manufacturer="Analog Devices", Mouser No.=584-AD8646ARZ-R7
U36: "3-V LVDS single CMOS differential line receiver"

## Free pads (board coordinates)
  round 3 hole 3: 0(16,5)

## Via types
v1: diameter 0.5, hole 0.15, Top Layer to Bottom Layer, tented both sides, 342 vias